# Altium PCB radxa_cm3i_io_board_v1.4.PcbDoc (part 1 of 9) (continued)
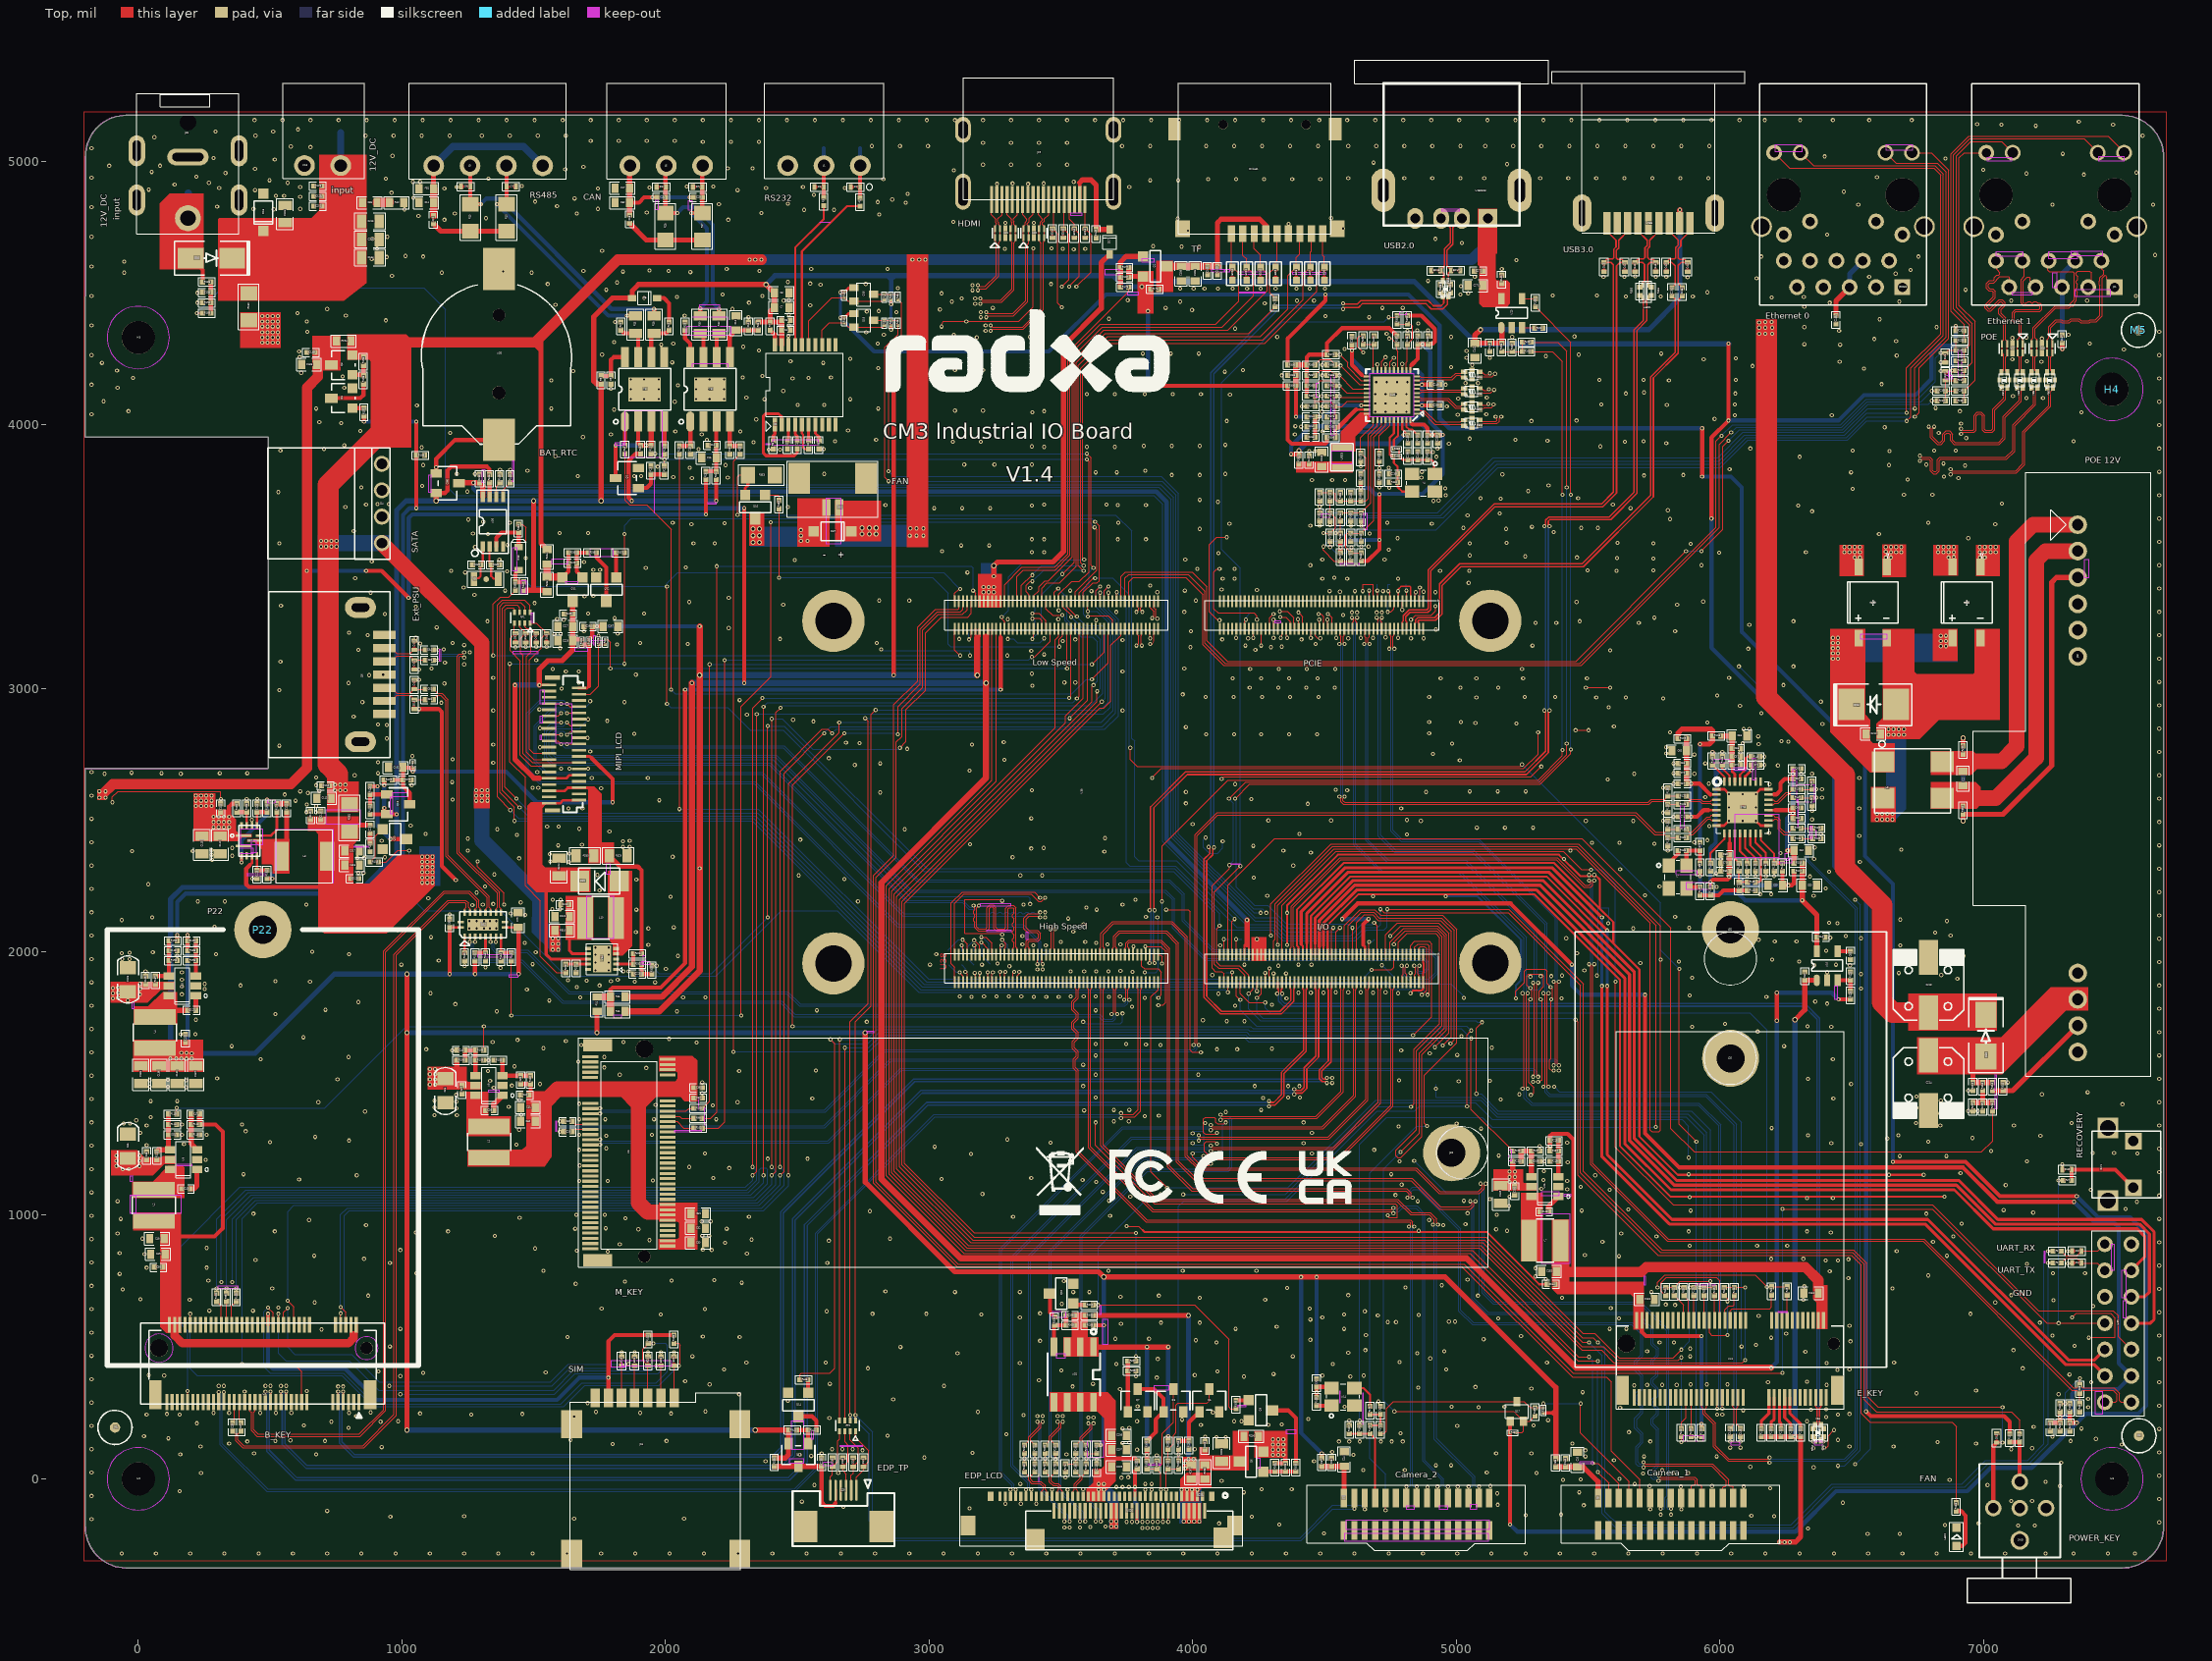
[diagram p0: Top view]
## Components (designator, comment, footprint, x,y, rotation, side; value= is the part's Value field where it differs from the comment) (continued)
C251 "C0402" C0402 4604.33,4318.9 r90 top
C252 "C0402" C0402 4448.82,3992.13 r180 top
C253 "C0402" C0402 4448.82,3952.76 r180 top
C254 "C0402" C0402 4448.82,4029.53 r180 top
C255 "C0402" C0402 4375.98,4187.01 r180 top
C256 "C0402" C0402 4688.98,4320.87 r90 top
C257 "C0402" C0402 4854.33,4320.87 r90 top
C258 "C0402" C0402 4893.7,4320.87 r90 top
C259 "C0402" C0402 4929.13,3944.88 r270 top
C260 "C0402" C0402 4891.73,3944.88 r270 top
C261 "C0402" C0402 4525.59,3990.16 r180 top
C262 "C0402" C0402 4525.59,4068.9 r180 top
C264 "C0402" C0402 1706.69,3234.25 r180 top
C267 "C0603" C0603 1791.34,3234.25 r0 top
C270 "C0402" C0402 1019.69,2651.57 r0 top
C271 "C0603" C0603 5072.83,4527.56 r0 top
C272 "C0402" C0402 5084.65,4582.68 r0 top
CN14A1 "TF-CKT01-009D" TF-CKT01-009D 4273.23,5138.19 r90 top
D1 "ESD0402_1XD5" ESD0402_1XD5 2582.68,4901.57 r0 top
D2 "ESD0402_1XD5" ESD0402_1XD5 2720.47,4901.57 r0 top
D3 "ESD0402_1XD5" ESD0402_1XD5 7354.33,864.17 r0 top
D4 "ESD0402_1XD5" ESD0402_1XD5 7354.33,818.9 r0 top
D5 "SOD_323" SOD_323 1921.26,4480.31 r0 top
D6 "ESD0402_1XD5" ESD0402_1XD5 1242.13,4903.54 r0 top
D7 "ESD0402_1XD5" ESD0402_1XD5 1415.35,4903.54 r180 top
D8 "ESD0402_1XD5" ESD0402_1XD5 1984.25,4901.57 r0 top
D9 "ESD0402_1XD5" ESD0402_1XD5 2122.05,4901.57 r0 top
D10 "ESD0402_1XD5" ESD0402_1XD5 1047.24,3163.39 r270 top
D11 "ESD0402_1XD5" ESD0402_1XD5 1047.24,3088.58 r90 top
D12 "ESD0402_1XD5" ESD0402_1XD5 1047.24,3013.78 r270 top
D13 "ESD0402_1XD5" ESD0402_1XD5 1047.24,2938.98 r90 top
D14 "ESD0402_1XD5" ESD0402_1XD5 7051.18,155.51 r270 top
D15 "DO_214AC" DO_214AC 277.56,4631.89 r0 top
D16 "SOD_123" SOD_123 474.41,4805.12 r270 top
D17 "SOD_323" SOD_323 3685.04,4692.91 r90 top
D26 "ESD0402_1XD5" ESD0402_1XD5 6856.3,4253.94 r90 top
D27 "ESD0402_1XD5" ESD0402_1XD5 6856.3,4185.04 r270 top
D28 "DO_214AA" DO_214AA 6584.65,2938.98 r180 top
D30 "DO_214AC" DO_214AC 7009.84,1681.1 r90 top
D31 "DO214AC" DO214AC 1683.07,2267.72 r0 top
D32 "ESD0402_1XD5" ESD0402_1XD5 2751.97,62.99 r270 top
D33 "ESD0402_1XD5" ESD0402_1XD5 2712.6,62.99 r270 top
D34 "ESD0402_1XD5" ESD0402_1XD5 2673.23,62.99 r270 top
D35 "ESD0402_1XD5" ESD0402_1XD5 2633.86,62.99 r270 top
D36 "SOT_23" SOT_23 1173.23,3777.56 r270 top
D37 "SOD_123" SOD_123 2633.86,3594.49 r0 top
D38 "SOD323" SOD323 1442.91,3492.13 r90 top
D40 "ESD0402_1XD5" ESD0402_1XD5 7316.93,1173.23 r0 top
D41 "ESD0402_1XD5" ESD0402_1XD5 5561.02,4598.43 r90 top
D42 "ESD0402_1XD5" ESD0402_1XD5 5639.76,4598.43 r90 top
D43 "ESD0402_1XD5" ESD0402_1XD5 5797.24,4598.43 r90 top
D44 "ESD0402_1XD5" ESD0402_1XD5 5877.95,4598.43 r90 top
D45 "ESD0402_1XD5" ESD0402_1XD5 5757.87,4598.43 r90 top
D46 "ESD0402_1XD5" ESD0402_1XD5 5679.13,4598.43 r90 top
D49 "ESD0402_1XD5" ESD0402_1XD5 1549.21,3190.94 r270 top
D50 "ESD0402_1XD5" ESD0402_1XD5 1470.47,3190.94 r270 top
D51 "ESD0402_1XD5" ESD0402_1XD5 1431.1,3190.94 r270 top
D53 "ESD0402_1XD5" ESD0402_1XD5 1509.84,3190.94 r270 top
ED1 "ESD0402_1XD5" ESD0402_1XD5 2032.68,446.85 r90 top
ED2 "ESD0402_1XD5" ESD0402_1XD5 1934.25,446.85 r90 top
ED3 "ESD0402_1XD5" ESD0402_1XD5 1983.46,446.85 r90 top
ED4 "ESD0402_1XD5" ESD0402_1XD5 1833.86,446.85 r90 top
ED5 "ESD0402_1XD5" ESD0402_1XD5 1883.07,446.85 r90 top
ED6 "E0402N" E0402N 4500,4572.83 r270 top
ED7 "E0402N" E0402N 4446.85,4572.83 r270 top
ED8 "E0402N" E0402N 4393.7,4572.83 r270 top
ED9 "E0402N" E0402N 4314.96,4572.83 r270 top
ED10 "E0402N" E0402N 4257.87,4572.83 r270 top
ED11 "E0402N" E0402N 4204.72,4572.83 r270 top
ED12 "E0402N" E0402N 4151.57,4572.83 r270 top
ED13 "ESD0402_1XD5" ESD0402_1XD5 3592.52,4726.38 r270 top
ED14 "ESD0402_1XD5" ESD0402_1XD5 3551.18,4726.38 r270 top
ED15 "ESD0402_1XD5" ESD0402_1XD5 3509.84,4726.38 r270 top
ED16 "ESD0402_1XD5" ESD0402_1XD5 3468.5,4726.38 r270 top
ED17 "ESD0402_1XD5" ESD0402_1XD5 4998.03,4584.65 r0 top
ED18 "ESD0402_1XD5" ESD0402_1XD5 4923.23,4584.65 r180 top
FB1 "L0603" L0603 1092.52,4895.67 r180 top
FB2 "L0603" L0603 1836.61,4842.52 r180 top
FB3 "R0402" R0402 5925.2,2320.87 r90 top
FB4 "GMDG-4PIN_ESD" GMDG-4PIN_ESD 6383.86,200.79 r270 top
FB5 "GMDG-6PIN_ESD" GMDG-6PIN_ESD 7263.78,4194.88 r270 top
FB6 "GMDG-6PIN_ESD" GMDG-6PIN_ESD 7204.72,4194.88 r270 top
FB7 "R0402" R0402 4490.16,62.99 r270 top
FB8 "R0402" R0402 5377.95,61.02 r270 top
FB9 "GMDG-6PIN_ESD" GMDG-6PIN_ESD 7149.61,4194.88 r270 top
FB10 "R0603" R0603 1608.27,2080.71 r0 top
FB11 "GMDG-6PIN_ESD" GMDG-6PIN_ESD 5084.65,3996.06 r180 top
FB12 "GMDG-6PIN_ESD" GMDG-6PIN_ESD 5084.65,4057.09 r180 top
FB13 "GMDG-6PIN_ESD" GMDG-6PIN_ESD 5084.65,4116.14 r180 top
FB14 "GMDG-6PIN_ESD" GMDG-6PIN_ESD 5084.65,4179.13 r180 top
FB15 "GMDG-4PIN_ESD" GMDG-4PIN_ESD 4970.47,4541.34 r270 top
FB16 "GMDG-6PIN_ESD" GMDG-6PIN_ESD 7090.55,4194.88 r270 top
GND_1 "TP32" TP32 677.17,5102.36 r180 bottom
H2 "HOLE_R6_3D2MM" HOLE_R6_3D2MM 0,0 r0 top
H3 "HOLE_R6_3D2MM" HOLE_R6_3D2MM 0,4330.71 r0 top
H4 "HOLE_R6_3D2MM" HOLE_R6_3D2MM 7488.19,4133.86 r0 top
H6 "HOLE_R6_3D2MM" HOLE_R6_3D2MM 7488.19,0 r0 top
J1 "DIP3_1X3D5" DIP3_1X3D5 2601.57,4982.68 r180 top
J3 "DIP4_1X3D5" DIP4_1X3D5 1258.66,4982.28 r180 top
J4 "FPC15PIN-1.0MM-LS" FPC15PIN-1.0MM-LS 4574.41,-72.83 r0 top
J5 "DIP3_1X3D5" DIP3_1X3D5 2003.15,4982.28 r180 top
J6 "DF40C_100DS" DF40C_100DS 4933.46,1992.13 r270 top
J7 "DF40C_100DS" DF40C_100DS 4933.86,3333.07 r270 top
J8 "FPC15PIN-1.0MM-LS" FPC15PIN-1.0MM-LS 5538.58,-72.83 r0 top
J14 "4PINX2_54_DIP_XIAO4P" 4PINX2_54_DIP_XIAO4P 924.02,3700.79 r0 top
J15 "MICRO_SIM" MICRO_SIM 1733.19,306.5 r270 top
J16 "SMD_SATA_7P_50_180" SMD_SATA_7P_50_180 933.46,2901.57 r90 top
J19 "HDMIA19S" HDMIA19S 3417.32,5031.5 r0 top
J20 "HOLE_5D5X2D7MM" HOLE_5D5X2D7MM 6040.94,1595.67 r0 top
J21 "RJ45_HRK1" RJ45_HRK1 7498.03,4521.65 r180 top
J23 "DIP_POE_AG5412" DIP_POE_AG5412 7358.27,3120.08 r270 top
J28 "FPC6-0.5MM-2660H" FPC6-0.5MM-2660H 2675.2,-43.31 r0 top
J32 "HOLE_5D5X2D7MM" HOLE_5D5X2D7MM 6040.55,2084.25 r0 top
J33 "HOLE_5D5X2D7MM" HOLE_5D5X2D7MM 4982.49,1236.81 r0 top
J35 "DC091-5521" DC091-5521 186.22,5255.51 r0 top
J90036 "RJ45_HRK1" RJ45_HRK1 6692.91,4521.65 r180 top
L1 "IND-4X4" IND-4X4 1330.71,1277.56 r270 top
L2 "IND-4X4" IND-4X4 59.06,1037.4 r270 top
L3 "IND-5020" IND-5020 629.92,2362.2 r0 top
L4 "IND-4X4" IND-4X4 62.99,1692.91 r270 top
L6 "RCMF7060" RCMF7060 6620.08,2720.47 r0 top
L7 "IND-4X4" IND-4X4 5336.61,903.54 r0 top
L10 "IND-4X4" IND-4X4 1753.94,2127.95 r0 top
L6801 "RP2_0405" RP2_0405 5718.5,4505.91 r270 top
L6803 "IND_252010" IND_252010 4566.93,3875.98 r90 top
LCD1 "20455-040E-TOP" 20455-040E-TOP 4072.83,-66.93 r0 top
LCD2 "FPC30-0.5MM" FPC30-0.5MM 3759.84,-122.05 r0 top
LED2 "LED0603" LED0603 6898.03,-220.08 r90 top
M1 "MARK" MARK -88.58,194.88 r0 top
M2 "MARK" MARK 7590.55,163.39 r0 top
M3 "MARK" MARK -88.58,194.88 r180 bottom
M4 "MARK" MARK 7588.58,4358.27 r180 bottom
M5 "MARK" MARK 7588.58,4358.27 r0 top
M6 "MARK" MARK 7590.55,163.39 r180 bottom
P1 "T-1MM" T-1MM 2738.19,5049.21 r180 bottom
P2 "T-1MM" T-1MM 2600.39,5049.21 r180 bottom
P4 "T-1MM" T-1MM 3320.87,1990.16 r180 bottom
P5 "T-1MM" T-1MM 3271.65,1990.16 r180 bottom
P6 "T-1MM" T-1MM 3226.38,1998.03 r180 bottom
P7 "T-1MM" T-1MM 3230.32,1954.72 r180 bottom
P8 "T-1MM" T-1MM 3169.29,1950.79 r180 bottom
P9 "T-1MM" T-1MM 3171.26,2000 r180 bottom
P10 "T-1MM" T-1MM 3122.05,1950.79 r180 bottom
P11 "T-1MM" T-1MM 3072.83,2005.91 r180 bottom
P12 "T-1MM" T-1MM 3074.8,1950.79 r180 bottom
P13 "T-1MM" T-1MM 3124.02,2000 r180 bottom
P14 "T-1MM" T-1MM 4687.01,2045.28 r180 bottom
P15 "T-1MM" T-1MM 4265.75,2047.24 r180 bottom
P16 "T-1MM" T-1MM 4187.01,2047.24 r180 bottom
P17 "T-1MM" T-1MM 4137.8,2047.24 r180 bottom
P18 "T-1MM" T-1MM 4220.47,3287.4 r180 bottom
P19 "TP_0R70" TP_0R70 507.87,2297.24 r270 bottom
P20 "TP_0R70" TP_0R70 188.98,4877.95 r180 bottom
P21 "TP_0R70" TP_0R70 767.72,5055.12 r180 bottom
P22 "T-1MM" T-1MM 472.44,2082.68 r0 top
P23 "TP_0R70" TP_0R70 188.98,4931.1 r180 bottom
P24 "T-1MM" T-1MM 4889.76,3324.8 r180 bottom
P25 "T-1MM" T-1MM 4842.52,3328.74 r180 bottom
P26 "T-1MM" T-1MM 4811.02,3393.7 r180 bottom
P27 "T-1MM" T-1MM 4795.28,3328.74 r180 bottom
P28 "T-1MM" T-1MM 4744.09,3328.74 r180 bottom
P29 "T-1MM" T-1MM 4748.03,3393.7 r180 bottom
P30 "T-1MM" T-1MM 4700.79,3393.7 r180 bottom
P31 "T-1MM" T-1MM 4665.35,3332.68 r180 bottom
P34 "T-1MM" T-1MM 4125.98,1921.26 r180 bottom
P35 "T-1MM" T-1MM 3401.57,3314.96 r180 bottom
P36 "T-1MM" T-1MM 3401.57,3230.31 r180 bottom
P37 "T-1MM" T-1MM 3151.57,3208.66 r180 bottom
Q1 "SOT_23" SOT_23 1854.33,3797.24 r90 top
Q2 "SOT23" SOT23 3856.3,4600.39 r270 top
Q3 "S0T-23" S0T-23 773.62,4226.38 r90 top
Q4 "S0T-23" S0T-23 773.62,4100.39 r90 top
Q5 "SOT_23" SOT_23 4062.99,297.24 r0 top
Q6 "SOT23" SOT23 4224.41,64.96 r90 top
Q7 "SOT_23" SOT_23 3791.34,297.24 r0 top
Q8 "SOT_23" SOT_23 3927.17,297.24 r0 top
Q9 "SOT23" SOT23 4257.87,259.84 r270 top
Q10 "SOT23" SOT23 3503.94,702.76 r90 top
Q11 "SOT23" SOT23 1647.64,3375.98 r180 top
Q12 "SOT23" SOT23 1775.59,3375.98 r180 top
Q13 "SOT_23" SOT_23 2503.94,90.55 r180 top
Q14 "SOT23" SOT23 2503.94,281.5 r180 top
Q15 "SOT23" SOT23 2340.55,3688.98 r180 top
Q16 "SOT_323" SOT_323 2751.97,4494.09 r270 top
Q17 "SOT_323" SOT_323 5230.32,255.91 r0 top
Q18 "SOT_323" SOT_323 2751.97,4395.67 r270 top
Q19 "SOT_23" SOT_23 986.22,2559.06 r270 top
Q20 "SOT23" SOT23 972.44,2427.17 r270 top
R1 "R0402" R0402 2738.19,4844.49 r270 top
R2 "R0201" R0201 2830.71,4385.83 r90 top
R3 "R0402" R0402 2600.39,4846.46 r270 top
R4 "R0201" R0201 2830.71,4484.25 r90 top
R5 "R0402" R0402 7279.53,864.17 r0 top
R6 "R0402" R0402 7279.53,818.9 r0 top
R7 "R0402" R0402 2397.64,4374.02 r270 top
R8 "R0402" R0402 2409.45,3923.23 r270 top
R9 "R0402" R0402 1755.91,4169.29 r270 top
R10 "R1206" R1206 1397.64,4785.43 r270 top
R11 "R0402" R0402 1905.51,3905.51 r90 top
R12 "R0402" R0402 2013.78,4374.02 r270 top
R13 "R1206" R1206 1259.84,4785.43 r270 top
R14 "R0402" R0402 1846.46,3905.51 r90 top
R15 "R0805" R0805 1885.83,4379.92 r90 top
R16 "R0402" R0402 7100.39,155.51 r270 top
R17 "R0402" R0402 1944.88,3905.51 r90 top
R18 "R0805" R0805 1956.69,4379.92 r90 top
R19 "R0402" R0402 7137.8,155.51 r90 top
R20 "R0402" R0402 1996.06,3903.54 r90 top
R21 "R0402" R0402 1830.71,4374.02 r90 top
R22 "R0402" R0402 1996.06,3826.77 r270 top
R23 "R0402" R0402 1944.88,3826.77 r90 top
R24 "R0402" R0402 2192.91,3807.09 r270 top
R25 "R0402" R0402 2352.36,4374.02 r270 top
R26 "R0402" R0402 2153.54,3807.09 r270 top
R27 "R1206" R1206 2139.76,4751.97 r270 top
R28 "R1206" R1206 2000,4751.97 r270 top
R29 "R0402" R0402 2053.15,3903.54 r90 top
R30 "R0805" R0805 2131.89,4379.92 r90 top
R31 "R0402" R0402 2283.46,3903.54 r90 top
R32 "R0805" R0805 2202.76,4379.92 r90 top
R33 "R0402" R0402 2074.8,4374.02 r90 top
R34 "R0603" R0603 1740.16,1801.18 r270 top
R35 "R0603" R0603 1818.9,1828.74 r0 top
R36 "R0603" R0603 1818.9,1773.62 r0 top
R37 "R0402" R0402 7318.9,1131.89 r0 top
R38 "R0201" R0201 5214.57,175.2 r0 top
R39 "R0201" R0201 5330.71,259.84 r90 top
R40 "R0402" R0402 7366.14,269.69 r90 top
R41 "R0402" R0402 879.92,2395.67 r270 top
R42 "R0603" R0603 980.32,4842.52 r180 top
R43 "R0201" R0201 2679.13,4492.13 r270 top
R44 "R0201" R0201 2856.3,4484.25 r90 top
R45 "R0201" R0201 2881.89,4484.25 r270 top
R46 "R0201" R0201 2679.13,4395.67 r270 top
R47 "R0201" R0201 2856.3,4385.83 r90 top
R48 "R0201" R0201 2881.89,4385.83 r270 top
R49 "R0402" R0402 6255.91,712.6 r90 top
R50 "R0402" R0402 6196.85,712.6 r90 top
R51 "R0402" R0402 5795.28,710.63 r270 top
R52 "R0402" R0402 6017.72,710.63 r270 top
R53 "R0402" R0402 5864.17,710.63 r270 top
R54 "R0402" R0402 5826.77,710.63 r270 top
R55 "R0402" R0402 5940.94,710.63 r270 top
R98 "R0402" R0402 2124.02,1368.11 r180 top
R99 "R0402" R0402 334.65,688.98 r270 top
R100 "R0402" R0402 2124.02,1405.51 r180 top
R101 "R0402" R0402 297.24,688.98 r270 top
R102 "R0402" R0402 2124.02,1330.71 r180 top
R103 "R0402" R0402 372.05,688.98 r270 top
R104 "R0402" R0402 1934.25,529.53 r270 top
R105 "R0402" R0402 2032.68,529.53 r270 top
R106 "R0402" R0402 1224.41,1588.58 r0 top
R107 "R0402" R0402 1488.19,1513.78 r90 top
R108 "R0402" R0402 1295.28,1625.98 r180 top
R109 "R0402" R0402 1295.28,1588.58 r0 top
R110 "R0402" R0402 1366.14,1588.58 r180 top
R111 "R0402" R0402 70.87,1226.38 r90 top
R112 "R0402" R0402 216.54,1344.49 r180 top
R113 "R0402" R0402 129.92,1383.86 r180 top
R114 "R0402" R0402 129.92,1344.49 r0 top
R115 "R0402" R0402 216.54,1305.12 r0 top
R116 "R0402" R0402 5988.19,2818.9 r0 top
R117 "R0402" R0402 6297.24,2305.12 r180 top
R118 "R0402" R0402 6297.24,2336.61 r180 top
R119 "R0402" R0402 5858.27,2809.06 r0 top
R120 "R0402" R0402 6496.06,1834.65 r90 top
R121 "R0402" R0402 6496.06,1907.48 r90 top
R122 "R0402" R0402 5972.44,2724.41 r270 top
R123 "R0402" R0402 5964.57,2320.87 r90 top
R124 "R0402" R0402 6238.19,2320.87 r90 top
R125 "R0402" R0402 6206.69,2320.87 r90 top
R126 "R0402" R0402 6135.83,2320.87 r90 top
R127 "R0402" R0402 5858.27,2590.55 r180 top
R128 "R0402" R0402 5858.27,2559.06 r180 top
R129 "R0402" R0402 5803.15,2543.31 r270 top
R130 "R0402" R0402 5803.15,2606.3 r90 top
R131 "R0402" R0402 5858.27,2464.57 r180 top
R132 "R0402" R0402 5858.27,2433.07 r180 top
R133 "R0402" R0402 5803.15,2417.32 r270 top
R134 "R0402" R0402 5803.15,2480.31 r90 top
R135 "R0402" R0402 5858.27,2383.86 r180 top
R136 "R0402" R0402 6293.31,2616.14 r0 top
R137 "R0402" R0402 6293.31,2584.65 r0 top
R138 "R0402" R0402 5964.57,2230.31 r270 top
R139 "R0402" R0402 6120.08,2263.78 r180 top
R140 "R0402" R0402 6072.83,2320.87 r270 top
R141 "R0402" R0402 6350.39,2631.89 r90 top
R142 "R0402" R0402 5925.2,2230.31 r270 top
R143 "R0402" R0402 6350.39,2568.9 r270 top
R144 "R0402" R0402 6120.08,2232.28 r0 top
R145 "R0402" R0402 6009.84,2724.41 r90 top
R146 "R0402" R0402 6135.83,2740.16 r180 top
R147 "R0402" R0402 6293.31,2468.5 r0 top
R148 "R0402" R0402 6293.31,2429.13 r0 top
R149 "R0402" R0402 6368.11,2429.13 r0 top
R150 "R0402" R0402 6368.11,2468.5 r0 top
R151 "R0402" R0402 1238.19,1980.31 r90 top
R152 "R0402" R0402 1277.56,1980.31 r90 top
R153 "R0402" R0402 1316.93,1980.31 r90 top
R154 "R0402" R0402 1375.98,1980.31 r270 top
R155 "R0402" R0402 1415.35,1980.31 r270 top
R156 "R0402" R0402 6897.64,-106.3 r270 top
R165 "R0402" R0402 5299.21,253.94 r270 top
R166 "R0402" R0402 4633.86,187.01 r270 top
R167 "R0402" R0402 4594.49,187.01 r90 top
R169 "R0402" R0402 4470.47,293.31 r90 top
R170 "R0402" R0402 4673.23,187.01 r270 top
R171 "R0402" R0402 4673.23,259.84 r270 top
R172 "R0402" R0402 4712.6,187.01 r270 top
R175 "R0402" R0402 4312.99,4462.6 r90 top
R176 "R0402" R0402 3856.3,4513.78 r0 top
R177 "R0402" R0402 3742.13,4596.46 r180 top
R178 "R0402" R0402 3742.13,4521.65 r0 top
R179 "R0402" R0402 525.59,2545.28 r90 top
R180 "R1206" R1206 419.29,4446.85 r90 top
R181 "R1206" R1206 801.18,2507.87 r270 top
R182 "R0402" R0402 374.02,2545.28 r90 top
R183 "R0402" R0402 411.42,2545.28 r270 top
R184 "R0402" R0402 488.19,2293.31 r90 top
R185 "R0402" R0402 488.19,2545.28 r270 top
R186 "R0402" R0402 259.84,4541.34 r180 top
R187 "R0402" R0402 64.96,1891.73 r90 top
R188 "R0402" R0402 202.76,2003.94 r0 top
R189 "R0402" R0402 259.84,4423.23 r0 top
R190 "R0402" R0402 131.89,2041.34 r180 top
R191 "R0402" R0402 131.89,1966.54 r0 top
R192 "R0402" R0402 259.84,4462.6 r0 top
R193 "R0402" R0402 202.76,1966.54 r180 top
R194 "R0603" R0603 779.53,4316.93 r0 top
R195 "R0402" R0402 854.33,4240.16 r90 top
R196 "R0402" R0402 854.33,4169.29 r270 top
R197 "R0402" R0402 856.3,4047.24 r270 top
R198 "R0402" R0402 1070.87,3883.86 r0 top
R200 "R0402" R0402 5301.18,4462.6 r270 top
R202 "R0402" R0402 5312.99,4366.14 r0 top
R203 "R0402" R0402 5267.72,4312.99 r0 top
R204 "R0402" R0402 5267.72,4277.56 r0 top
R205 "R0201" R0201 1683.07,3175.2 r270 top
R206 "R0402" R0402 5173.23,4293.31 r90 top
R207 "R0402" R0402 5212.6,4293.31 r90 top
R208 "R0201" R0201 1746.06,3175.2 r90 top
R209 "R0402" R0402 6393.7,175.2 r90 top
R210 "R0402" R0402 6354.33,175.2 r90 top
R212 "R0402" R0402 6232.28,175.2 r90 top
R213 "R0402" R0402 6194.88,175.2 r90 top
R214 "R0402" R0402 6307.09,175.2 r90 top
R215 "R0402" R0402 6269.69,175.2 r90 top
R216 "R0402" R0402 6157.48,175.2 r90 top
R218 "R0402" R0402 6055.12,710.63 r270 top
R219 "R0402" R0402 5980.32,710.63 r270 top
R220 "R0402" R0402 5891.73,175.2 r90 top
R221 "R0402" R0402 5901.57,710.63 r270 top
R222 "R0402" R0402 5854.33,175.2 r90 top
R223 "R0402" R0402 5931.1,175.2 r90 top
R224 "R0402" R0402 5230.32,1204.72 r0 top
R225 "R0402" R0402 5372.05,1283.46 r0 top
R226 "R0402" R0402 5230.32,1244.09 r0 top
R227 "R0402" R0402 5301.18,1244.09 r0 top
R228 "R0402" R0402 5372.05,1204.72 r180 top
R229 "R0402" R0402 6911.42,4242.13 r0 top
R230 "R0402" R0402 6911.42,4281.5 r180 top
R231 "R0402" R0402 6911.42,4318.9 r0 top
R232 "R0402" R0402 6911.42,4356.3 r180 top
R233 "R0402" R0402 6840.55,4127.95 r0 top
R234 "R0402" R0402 6840.55,4090.55 r0 top
R235 "R0402" R0402 6911.42,4090.55 r0 top
R236 "R0402" R0402 6911.42,4127.95 r180 top
R237 "R0402" R0402 6911.42,4167.32 r0 top
R238 "R0402" R0402 6911.42,4204.72 r180 top
R276 "R0402" R0402 3517.72,41.34 r270 top
R277 "R0402" R0402 3401.57,112.2 r270 top
R278 "R0402" R0402 3440.94,41.34 r90 top
R279 "R0402" R0402 3480.32,41.34 r90 top
R280 "R0402" R0402 3362.2,112.2 r270 top
R281 "R0402" R0402 3440.94,112.2 r270 top
R282 "R0402" R0402 3480.32,112.2 r270 top
R283 "R0402" R0402 3362.2,41.34 r90 top
R284 "R0402" R0402 3635.83,112.2 r90 top
R285 "R0402" R0402 3557.09,112.2 r270 top
R286 "R0402" R0402 3401.57,41.34 r90 top
R287 "R0402" R0402 3596.46,112.2 r270 top
R288 "R0402" R0402 3557.09,41.34 r90 top
R289 "R0402" R0402 3596.46,41.34 r90 top
R290 "R0402" R0402 3946.85,53.15 r270 top
R291 "R0402" R0402 3907.48,127.95 r90 top
R292 "R0402" R0402 3789.37,53.15 r270 top
R293 "R0402" R0402 3907.48,53.15 r90 top
R294 "R0402" R0402 3946.85,127.95 r90 top
R295 "R0402" R0402 3986.22,127.95 r90 top
R296 "R0603" R0603 4222.44,161.42 r180 top
R297 "R0603" R0603 3994.09,25.59 r270 top
R298 "R0603" R0603 4047.24,25.59 r270 top
R299 "R0402" R0402 3608.27,582.68 r180 top
R300 "R0402" R0402 3535.43,582.68 r180 top
R301 "R0402" R0402 4312.99,43.31 r270 top
R302 "R0402" R0402 3608.27,620.08 r180 top
R303 "R0402" R0402 3826.77,53.15 r90 top
R304 "R0402" R0402 3476.38,598.43 r90 top
R305 "R0402" R0402 4391.73,43.31 r90 top
R306 "R0402" R0402 3826.77,127.95 r270 top
R307 "R0402" R0402 3769.69,446.85 r180 top
R308 "R0402" R0402 4165.35,281.5 r90 top
R309 "R0402" R0402 3769.69,409.45 r180 top
R310 "R0402" R0402 3608.27,659.45 r180 top
R311 "R0402" R0402 6923.23,2765.75 r270 top
R312 "R0402" R0402 6923.23,2537.4 r90 top
R313 "R0402" R0402 7035.43,1488.19 r90 top
R314 "R0402" R0402 7074.8,1488.19 r90 top
R315 "R0402" R0402 6998.03,1488.19 r90 top
R316 "R0402" R0402 7035.43,1411.42 r90 top
R317 "R0402" R0402 6960.63,1411.42 r90 top
R320 "R0402" R0402 7291.34,269.69 r90 top
R321 "R0402" R0402 7291.34,196.85 r90 top
R322 "R0402" R0402 7328.74,269.69 r270 top
R326 "R0402" R0402 1893.7,1992.13 r0 top
R327 "R0402" R0402 1661.42,1937.01 r90 top
R328 "R0402" R0402 1622.05,1937.01 r90 top
R329 "R0805" R0805 1820.87,2364.17 r0 top
R330 "R0805" R0805 1694.88,2364.17 r180 top
R331 "R0402" R0402 1948.82,1931.1 r270 top
R332 "R0402" R0402 1893.7,1952.76 r180 top
R333 "R0603" R0603 1551.18,3393.7 r90 top
R334 "R0603" R0603 1551.18,3498.03 r270 top
R335 "R0402" R0402 1647.64,3513.78 r0 top
R336 "R0402" R0402 1722.44,3513.78 r0 top
R337 "R0402" R0402 1828.74,3513.78 r180 top
R338 "R0402" R0402 2413.39,62.99 r270 top
R341 "R0402" R0402 2482.28,185.04 r180 top
R344 "R0402" R0402 2557.09,185.04 r180 top
R345 "R0402" R0402 2525.59,375.98 r180 top
R346 "R0402" R0402 1332.68,3795.28 r90 top
R347 "R0402" R0402 1462.6,3387.8 r90 top
R348 "R0402" R0402 1372.05,3795.28 r270 top
R349 "R0402" R0402 1411.42,3795.28 r270 top
R350 "R0402" R0402 1431.1,3387.8 r90 top
R351 "R0402" R0402 1442.91,3606.3 r270 top
R352 "R0402" R0402 2431.1,3696.85 r90 top
R353 "R1206" R1206 2364.17,3809.06 r0 top
R355 "R0402" R0402 5740.16,4505.91 r270 top
R356 "R0402" R0402 5696.85,4505.91 r270 top
R359 "R0201" R0201 4773.62,3907.48 r180 top
R360 "R0201" R0201 4773.62,3879.92 r180 top
R361 "R0402" R0402 4761.81,3781.5 r180 top
R362 "R0402" R0402 4891.73,3881.89 r270 top
R363 "R0402" R0402 4708.66,3875.98 r90 top
R364 "R0402" R0402 4708.66,3797.24 r270 top
R365 "R0402" R0402 4561.02,3726.38 r90 top
R366 "R0402" R0402 4637.8,3726.38 r270 top
R367 "R0402" R0402 4600.39,3572.83 r270 top
R368 "R0402" R0402 4639.76,3498.03 r90 top
R369 "R0402" R0402 4600.39,3649.61 r270 top
R370 "R0402" R0402 4854.33,3944.88 r270 top
R371 "R0402" R0402 4637.8,3797.24 r270 top
R372 "R0402" R0402 4525.59,4265.75 r0 top
R373 "R0402" R0402 4637.8,3875.98 r270 top
R374 "R0402" R0402 4521.65,3726.38 r90 top
R375 "R0402" R0402 4521.65,3572.83 r270 top
R376 "R0402" R0402 4600.39,3498.03 r270 top
R377 "R0402" R0402 4561.02,3498.03 r90 top
R378 "R0402" R0402 4525.59,4029.53 r180 top
R379 "R0402" R0402 4525.59,4108.27 r180 top
R380 "R0402" R0402 4521.65,3649.61 r270 top
R381 "R0402" R0402 4448.82,4108.27 r0 top
R382 "R0402" R0402 4525.59,4147.64 r180 top
R383 "R0402" R0402 4448.82,4147.64 r0 top
R384 "R0402" R0402 4561.02,3649.61 r90 top
R385 "R0402" R0402 4561.02,3572.83 r270 top
R386 "R0402" R0402 4525.59,4187.01 r180 top
R387 "R0402" R0402 4448.82,4187.01 r0 top
R388 "R0402" R0402 4525.59,4226.38 r180 top
R389 "R0402" R0402 4448.82,4226.38 r0 top
R390 "R0402" R0402 4482.28,3726.38 r90 top
R391 "R0402" R0402 4482.28,3649.61 r270 top
R392 "R0402" R0402 4814.96,4397.64 r270 top
R393 "R0402" R0402 4775.59,4397.64 r270 top
R394 "R0402" R0402 4403.54,3866.14 r90 top
R395 "R0402" R0402 4375.98,4226.38 r0 top
R396 "R0402" R0402 4375.98,4147.64 r0 top
R397 "R0402" R0402 4775.59,4320.87 r270 top
R398 "R0402" R0402 4647.64,4320.87 r90 top
R399 "R0402" R0402 4525.59,3950.79 r0 top
R400 "R0402" R0402 4448.82,4068.9 r180 top
R411 "R0201" R0201 1771.65,3175.2 r270 top
R416 "R0201" R0201 1710.63,3175.2 r270 top
R417 "R0402" R0402 879.92,2537.4 r270 top
R418 "R0402" R0402 895.67,2340.55 r0 top
R419 "R0402" R0402 948.82,2651.57 r0 top
R420 "R0402" R0402 879.92,2612.2 r270 top
R422 "R0402" R0402 4978.35,4515.75 r90 top
R423 "R0402" R0402 4940.94,4515.75 r90 top
RP1 "RN8P4RC" RN8P4RC 1456.69,3267.72 r0 top
RP2 "RN8P4RC" RN8P4RC 2690.94,200.79 r0 top
SW1 "SW_4_DIP" SW_4_DIP 7472.83,1331.89 r270 top
SW3 "DIP_SWITCH" DIP_SWITCH 7138.19,-233.46 r0 top
T1 "TP32" TP32 767.72,5108.27 r180 bottom
TP1 "TP_0R70" TP_0R70 1104.33,2385.83 r270 bottom
TP2 "TP_0R70" TP_0R70 1171.26,2383.86 r270 bottom
TP8 "TP_0R70" TP_0R70 1076.77,3814.96 r180 bottom
TP9 "TP_0R70" TP_0R70 1129.92,3814.96 r180 bottom
U1 "SSOP20_1" SSOP20_1 2415.35,4000 r0 top
U2 "SOP8_5R00X4R00X1R75_T" SOP8_5R00X4R00X1R75_T 1921.26,4133.86 r0 top
U3 "SOP8_5R00X4R00X1R75_T" SOP8_5R00X4R00X1R75_T 2169.29,4133.86 r0 top
U6 "M2_NGFF_KEY_M_1" M2_NGFF_KEY_M_1 1861.81,1237.4 r90 top
U7 "M2_NGFF_KEY_B-GX" M2_NGFF_KEY_B-GX 472.44,291.34 r180 top
U8 "SOT_23_6" SOT_23_6 1330.71,1492.13 r90 top
U9 "SOT_23_6" SOT_23_6 171.26,1210.63 r90 top
U10 "SOT_23_5" SOT_23_5 6407.48,1946.85 r90 top
U11 "AU5426_QFN32" AU5426_QFN32 6086.61,2547.24 r0 top
U12 "QFN20-2D5X4D5" QFN20-2D5X4D5 1307.09,2102.36 r0 top
U14 "CRY4_3R20X2R50X0R80" CRY4_3R20X2R50X0R80 4570.87,311.02 r0 top
U17 "QFN12_2R00X3R00X1R00" QFN12_2R00X3R00X1R00 421.26,2421.26 r0 top
U18 "DIP2_1X3D5" DIP2_1X3D5 630.32,4983.07 r180 top
U20 "SOT_23_6" SOT_23_6 167.32,1870.08 r90 top
U21 "SON10_2R50X1R00X0R50" SON10_2R50X1R00X0R50 3289.37,4726.38 r0 top
U22 "SON10_2R50X1R00X0R50" SON10_2R50X1R00X0R50 3397.64,4726.38 r0 top
U23 "SOT_23_5" SOT_23_5 5210.63,4423.23 r90 top
U24 "M2_NGFF_KEY_E_42X30" M2_NGFF_KEY_E_42X30 6039.37,454.72 r180 top
U25 "SOT_23_6" SOT_23_6 5336.61,1108.27 r90 top
U26 "SON10_2R50X1R00X0R50" SON10_2R50X1R00X0R50 7222.44,4289.37 r180 top
U27 "SON10_2R50X1R00X0R50" SON10_2R50X1R00X0R50 7110.24,4289.37 r180 top
U31 "SOP8-50-150" SOP8-50-150 3549.21,395.67 r180 top
U32 "SOP4_1D27_4" SOP4_1D27_4 6937.01,3324.8 r180 top
U33 "SOP4_1D27_4" SOP4_1D27_4 6580.71,3324.8 r180 top
U34 "DFN10P_3X3" DFN10P_3X3 1759.84,1972.44 r90 top
U35 "BAT_CR1220" BAT_CR1220 1368.11,4270.47 r180 top
U36 "MSOP8" MSOP8 1344.49,3631.89 r90 top
U37 "SMD_1D25X2PIN_90" SMD_1D25X2PIN_90 2659.45,3685.04 r0 top
U38 "DF40C-200DS-70X40_MZ_3D5" DF40C-200DS-70X40_MZ_3D5 3580.91,2605.91 r90 top
U39 "DIP_14PIN-2_54MM" DIP_14PIN-2_54MM 7511.81,590.55 r270 top
U41 "QFN40_5R00X5R00X0R90_T" QFN40_5R00X5R00X0R90_T 4755.91,4112.2 r180 top
U42 "LCD39PIN-OK" LCD39PIN-OK 1558.08,3012.6 r180 top
USB6 "USB30-L1" USB30-L1 5729.53,4763.39 r180 top
USB2503 "USB20A4_USB_AF_01_001" USB20A4_USB_AF_01_001 4982.28,4782.28 r270 top
Y1 "CRY4_3R20X2R50X0R80" CRY4_3R20X2R50X0R80 5840.55,2283.46 r270 top
Y3 "CRY-3215" CRY-3215 1273.62,3413.39 r0 top
Y4 "CRY4_3R20X2R50X0R80" CRY4_3R20X2R50X0R80 4875.98,3779.53 r180 top

## Footprints (in the part's own frame and the unit in brackets; to place one, negate y for a bottom-side part, rotate by r counter-clockwise, add the part's x,y. Pads: shape width x height; smd on the part's side, far side on the other; paste and mask are expansions set on the pad)
4PINX2_54_DIP_XIAO4P [mil]
  round 61.02 hole 40.16 mask+1.97: 1(0,150) 2(0,50) 3(0,-50) 4(0,-150)
  silkscreen extent -433,-211 31,211
20455-040E-TOP [mm]
  rect 0.3x0.9 smd: 1(-20.4,0) 2(-19.9,0) 3(-19.4,0) 4(-18.9,0) 5(-18.4,0) 6(-17.9,0) 7(-17.4,0) 8(-16.9,0) 9(-16.4,0) 10(-15.9,0) 11(-15.4,0) 12(-14.9,0) 13(-14.4,0) 14(-13.9,0) 15(-13.4,0) 16(-12.9,0) 17(-12.4,0) 18(-11.9,0) 19(-11.4,0) 20(-10.9,0) 21(-10.4,0) 22(-9.9,0) 23(-9.4,0) 24(-8.9,0) 25(-8.4,0) 26(-7.9,0) 27(-7.4,0) 28(-6.9,0) 29(-6.4,0) 30(-5.9,0) 31(-5.4,0) 32(-4.9,0) 33(-4.4,0) 34(-3.9,0) 35(-3.4,0) 36(-2.9,0) 37(-2.4,0) 38(-1.9,0) 39(-1.4,0) 40(-0.9,0)
  rect 0.55x0.9 smd: 41(0,0) 42(-21.3,0)
  rect 1.4x1.9 smd: 43(-23.5,-2.82) 44(2.2,-2.82)
  silkscreen extent -24.28,-4.79 2.97,0.86
AU5426_QFN32 [mm]
  rect 0.8x0.25 smd: 1(-2.5,1.75) 2(-2.5,1.25) 3(-2.5,0.75) 4(-2.5,0.25) 5(-2.5,-0.25) 6(-2.5,-0.75) 7(-2.5,-1.25) 8(-2.5,-1.75) 17(2.5,-1.75) 18(2.5,-1.25) 19(2.5,-0.75) 20(2.5,-0.25) 21(2.5,0.25) 22(2.5,0.75) 23(2.5,1.25) 24(2.5,1.75)
  rect 0.25x0.8 smd: 9(-1.75,-2.5) 10(-1.25,-2.5) 11(-0.75,-2.5) 12(-0.25,-2.5) 13(0.25,-2.5) 14(0.75,-2.5) 15(1.25,-2.5) 16(1.75,-2.5) 25(1.75,2.5) 26(1.25,2.5) 27(0.75,2.5) 28(0.25,2.5) 29(-0.25,2.5) 30(-0.75,2.5) 31(-1.25,2.5) 32(-1.75,2.5)
  rect 3x3 smd: 33(0,0)
  silkscreen extent -2.81,-2.5 2.55,2.86
BAT_CR1220 [mm]
  rect 3.099x4.064 smd: 1(0,8.348) 2(0,-8.134)
  round 1.2 hole 1.2 unplated: 3(0,-3.685)
  round 1.3 hole 1.3 unplated: 4(0,3.815)
  silkscreen extent -6.99,-6.61 7.47,8.76
C0201 [mm]
  rect 0.3x0.3 smd: 1(-0.25,0) 2(0.25,0)
  silkscreen extent -0.5,-0.25 0.5,0.25
C0402 [mm]
  rect 0.5x0.5 smd: 1(-0.4,0) 2(0.4,0)
  silkscreen extent -0.8,-0.4 0.8,0.4
C0603 [mm]
  rect 0.7x0.9 smd: 1(-0.7,0) 2(0.7,0)
  silkscreen extent -1.2,-0.6 1.2,0.6
C0805 [mm]
  rect 0.9x1.3 smd: 1(-0.85,0) 2(0.85,0)
  silkscreen extent -1.5,-0.8 1.5,0.8
C1206 [mil]
  rect 50x60 smd mask+1.97: 1(-46,0) 2(46,0)
  silkscreen extent -88,-41 90,40
CAP_SM_6D3X7D7_1 [mm]
  rect 1.85x3.35 smd: 1(0,2.667) 2(0,-2.642)
  silkscreen extent -3.4,-3.4 3.4,3.4
CRY4_3R20X2R50X0R80 [mm]
  rect 1.4x1.2 smd: 1(-1.1,-0.85) 2(1.1,-0.85) 3(1.1,0.85) 4(-1.1,0.85)
  silkscreen extent -1.6,-2.02 1.6,1.26
CRY-3215 [mm]
  rect 0.65x1.3 smd: 1(0,0) 2(2.35,0)
  round 0.55 smd: 3(1.175,0)
  silkscreen extent -0.6,-0.8 2.9,0.8
DC091-5521 [mm]
  round 2.5 / inner round 2 / far side round 2.5 hole 1.5: 1(0.05,-11.995)
  round 1 hole 1.6 unplated: 2(0.05,-2.745)
  oval 4x1.6 hole 0.787 slot 2.997 at 0 deg: 3(0.05,-6.095)
  oval 1.6x3 hole 0.787 slot 1.981 at 90 deg: 4(-4.875,-5.495) 5(-4.875,-10.245) 6(4.975,-5.495) 7(4.975,-10.245)
  silkscreen extent -4.88,-13.52 4.97,0.01